# Altium PCB KB-PCB-R02.PcbDoc (part 3 of 5)
Units mm, origin at the board's own origin, x right, y up, seen from the top; angles counter-clockwise.
Board outline 263.4 x 114.34 mm, 4 copper layers (SIG_TOP, GND, PWR, SIG_BOTTOM), stack 1.118 mm thick; 686 components, 425 nets, 2244 pads, 421 vias.
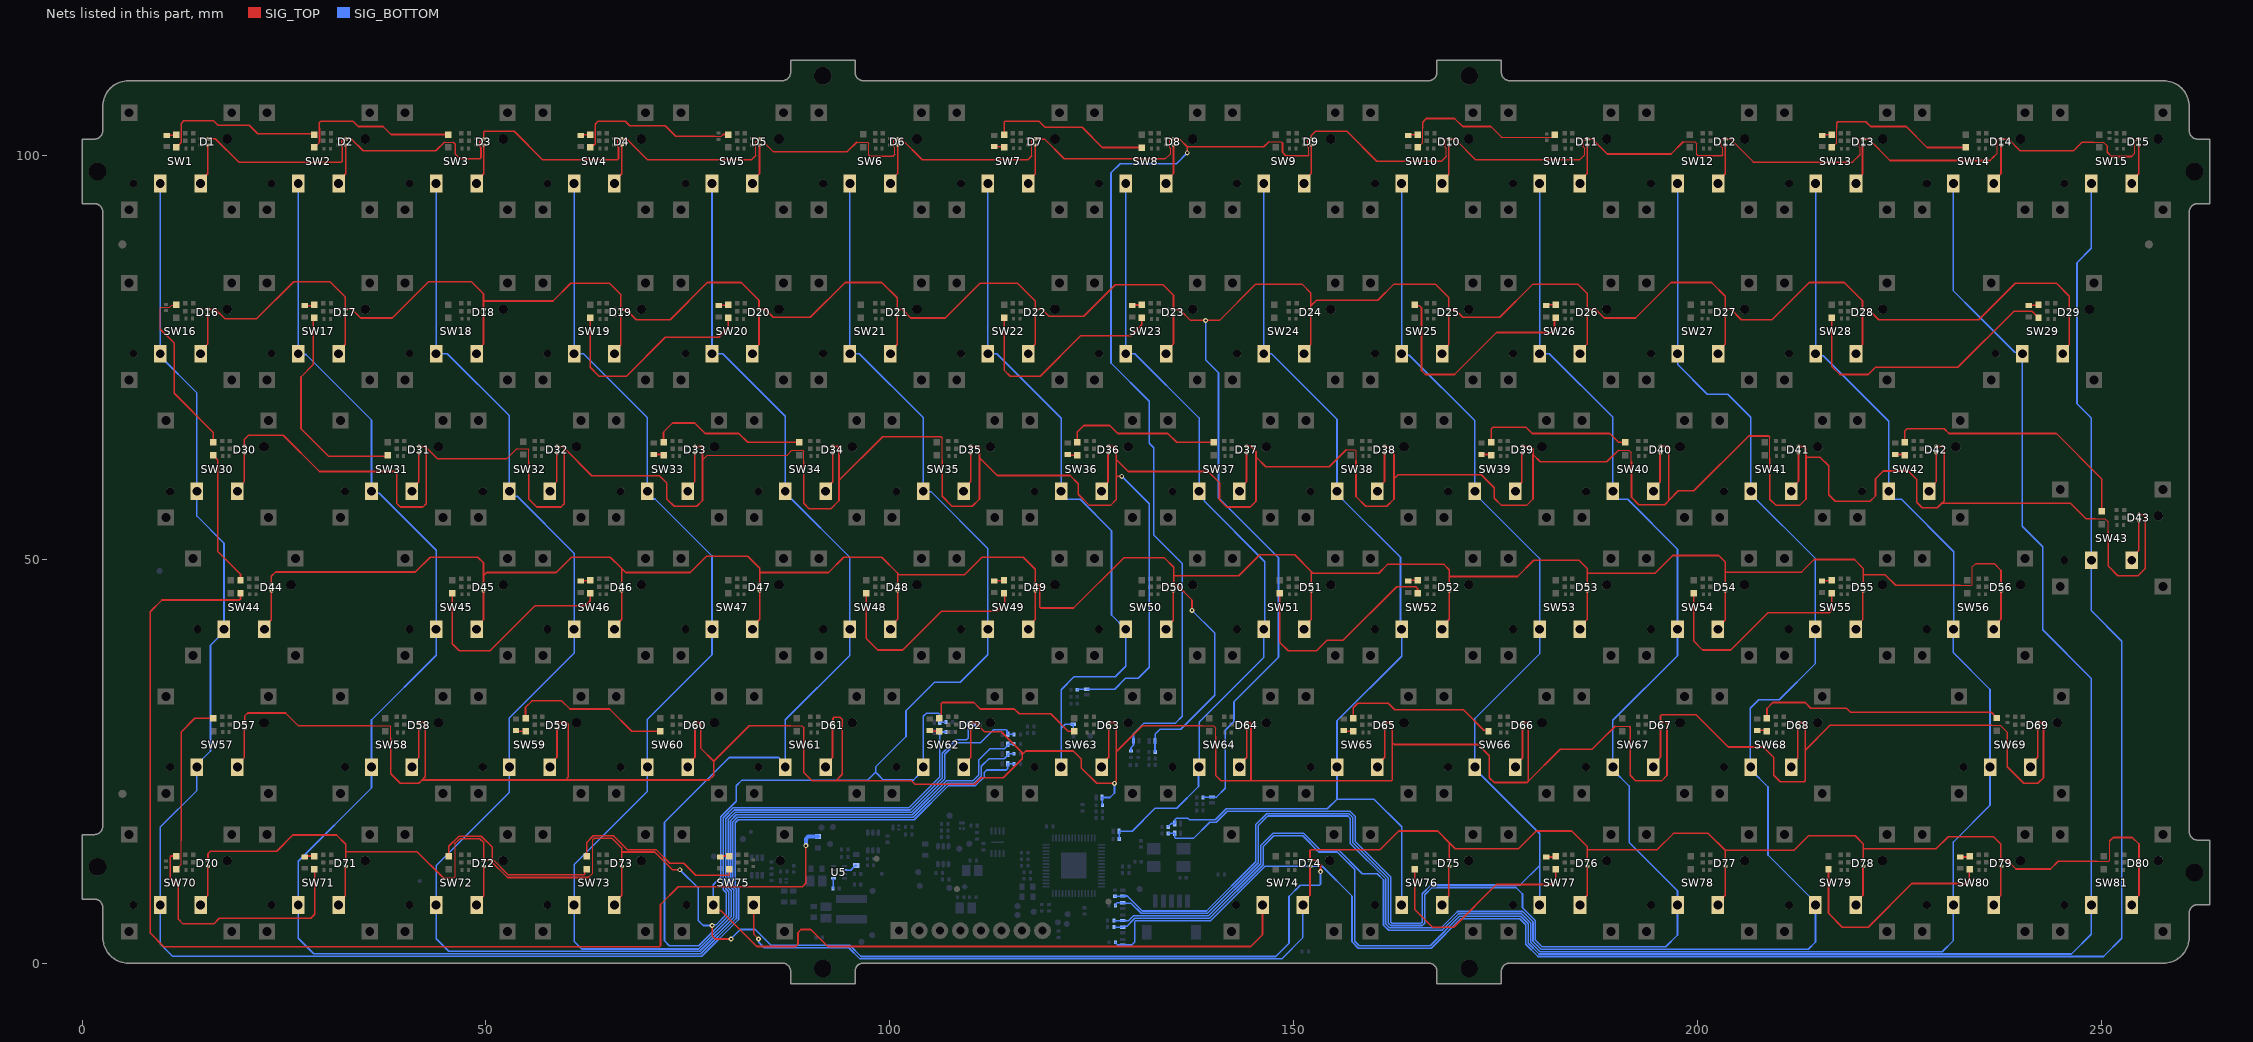
[diagram p5: the nets of this part, all layers, seen from the top]

## Via types
v1: diameter 0.6, hole 0.3, SIG_TOP to SIG_BOTTOM, tented both sides, 412 vias
v2: diameter 0.5, hole 0.3, SIG_TOP to SIG_BOTTOM, 9 vias

## Nets (pads, with @x,y where several pads share a name; then routed paths per layer and width w, separated by ;. In a path a pad name is that pad's centre, name@x,y a point inside that pad or via, vN(x,y) a via of type N, cw(c..) or ccw(c..) an arc to the next point about the centre after c; other vN are vias at no path point) (continued)
NetC22_2: C22.2 U5.1 | length 1.3
  SIG_BOTTOM w0.2: C22.2@92.967,9.287 92.967,10.525 92.992,10.55 U5.1@93,10.55
NetC25_1: C25.1 U5.6 | length 1.7
  SIG_BOTTOM w0.2: U5.6@94.4,11.55 95.154,11.55 95.729,12.125 C25.1@95.814,12.125
NetD1_1: D1.1 D2.1 D3.1 D4.1 D5.1 D6.1 D7.1 D8.1 D9.1 D10.1 D11.1 D12.1 D13.1 D14.1 D15.1 D96.1 R162.2 | length 386.1
  SIG_TOP w0.15: 44.867,101.667 45.943,101.667 ; 66.4,101.042 66.325,101.117 66.325,101.883 66.442,102 D4.1@66.75,102 ; 83.392,100.009 83.392,101.7 D5.1@83.751,102.059 ; 95.9,101.667 97.286,101.667 97.394,101.559 97.394,100.076 ; 100.6,100.141 100.6,101.029 100.501,101.128 100.501,101.887 100.589,101.975 100.825,101.975 D6.1@100.85,102 ; 117.567,99.967 117.567,101.887 117.655,101.975 117.892,101.975 D7.1@117.992,102.075 ; 134.108,99.6 134.754,100.246 134.754,100.85 134.635,100.968 134.635,101.962 134.723,102.05 D8.1@135.1,102.05 ; 146.9,101.698 148.462,101.698 148.483,101.678 ; 151.865,100.117 151.865,100.949 151.697,101.117 151.697,101.883 151.814,102 D9.1@152.1,102 ; 168.889,99.906 168.889,100.899 168.757,101.031 168.757,101.883 168.874,102 D10.1@169.097,102 ; 185.4,99.5 186,100.1 186,100.899 185.82,101.079 185.82,101.906 185.908,101.994 186.1,101.994 D11.1@186.2,102.094 ; 198.2,101.7 199.637,101.7 199.856,101.481 199.856,100.176 ; 203.085,100.117 203.085,100.957 202.925,101.117 202.925,101.883 203.042,102 D12.1@203.35,102 ; 220.09,100.124 220.09,101.035 220.008,101.117 220.008,101.933 220.125,102.05 D13.1@220.483,102.05 ; 236.698,99.926 237.065,100.293 237.065,101.879 237.183,101.996 D14.1@237.493,101.996 ; 249.018,101.671 250.221,101.671 250.7,101.191 ; 253.727,99.897 254.123,100.293 254.123,101.849 254.249,101.975 254.525,101.975 D15.1@254.6,102.05
  SIG_TOP w0.2: D1.1@15.585,102.079 D1.1@15.585,102.1 16.5,102.1 19.4,99.2 32.1,99.2 32.217,99.317 32.217,101.08 32.18,101.117 32.18,101.893 32.334,102.047 32.605,102.047 32.655,102.097 D2.1@32.655,102.1 33.3,102.1 34.8,100.6 43.8,100.6 44.867,101.667 ; 45.943,101.667 46.177,101.433 46.177,100.223 46.8,99.6 49.273,99.6 49.39,99.717 49.39,100.988 49.259,101.12 49.259,101.754 49.507,102.002 49.684,102.002 D3.1@49.684,102.099 ; D3.1@49.714,102.199 49.714,102.883 49.831,103 53.5,103 57,99.5 66.283,99.5 66.4,99.617 66.4,101.042 ; D4.1@66.75,102 D4.1@66.8,102.05 ; D4.1@66.825,102.075 D4.1@66.8,102.1 67.4,102.1 70,99.5 82.883,99.5 83.392,100.009 ; D5.1@83.867,102.05 83.992,102.05 85.542,100.5 94.733,100.5 95.9,101.667 ; 97.394,100.076 97.57,99.9 100.359,99.9 100.6,100.141 ; D6.1@100.951,102.05 101.45,102.05 104,99.5 117.1,99.5 117.567,99.967 ; D7.1@118.017,102.05 119.15,102.05 121.6,99.6 134.108,99.6 ; D8.1@135.1,102.05 D8.1@135.1,102.1 ; D8.1@135.2,102.1 D8.1@135.1,102.1 ; v1(136.808,100.342) 136.808,101.092 ; 146.9,101.698 146.294,101.092 136.808,101.092 ; 148.483,101.678 148.6,101.56 148.6,100.4 149,100 151.748,100 151.865,100.117 ; D9.1@152.1,102 152.158,102.058 152.158,102.085 D9.1@152.172,102.1 152.172,102.5 152.672,103 156.576,103 160.276,99.3 168.283,99.3 168.889,99.906 ; D10.1@169.232,102.05 169.95,102.05 172.5,99.5 185.4,99.5 ; D11.1@186.3,102.05 186.95,102.05 188.8,100.2 196.7,100.2 198.2,101.7 ; 199.856,100.176 200.032,100 202.968,100 203.085,100.117 ; D12.1@203.4,102.05 204.05,102.05 206.9,99.2 219.166,99.2 220.09,100.124 ; D13.1@220.483,102.05 221.15,102.05 223.8,99.4 236.172,99.4 236.698,99.926 ; D14.1@237.534,102.036 D14.1@237.534,102.096 ; D14.1@237.543,102.046 238.454,102.046 239.9,100.6 246.5,100.6 247.554,101.654 249.001,101.654 249.018,101.671 ; 250.7,101.191 250.7,100.413 251.216,99.897 253.727,99.897 ; D15.1@254.55,102 254.55,102.049 D15.1@254.551,102.05 ; D15.1@254.6,102.05 D15.1@254.6,102.1 ; D8.1@135.1,102.1 135.2,102 135.9,102 136.808,101.092
  SIG_BOTTOM w0.2: R162.2@129.85,26.277 129.85,26.713 130.15,27.013 130.15,28.45 131.461,29.761 135.361,29.761 136.2,30.6 136.2,49.5 132.658,53.042 132.658,63.842 132.1,64.4 132.1,69.6 127.365,74.335 127.365,97.865 128.501,99.001 135.466,99.001 v1(136.808,100.342)
NetD1_2: D1.2 SW1.2 | length 5.2
  SIG_TOP w0.2: SW1.2@14.687,96.553 14.687,96.878 15.562,97.753 15.562,101.318 D1.2@15.562,101.368
NetD2_2: D2.2 SW2.2 | length 5.1
  SIG_TOP w0.2: SW2.2@31.76,96.553 31.76,96.878 32.655,97.773 D2.2@32.655,101.3
NetD3_2: D3.2 SW3.2 | length 5.2
  SIG_TOP w0.2: SW3.2@48.834,96.553 48.834,96.878 49.714,97.758 D3.2@49.714,101.399
NetD4_2: D4.2 SW4.2 | length 5
  SIG_TOP w0.2: SW4.2@65.906,96.553 65.906,96.878 66.8,97.772 D4.2@66.8,101.2
NetD5_2: D5.2 SW5.2 | length 5.1
  SIG_TOP w0.2: SW5.2@82.98,96.553 82.98,96.878 83.867,97.765 D5.2@83.867,101.3
NetD6_2: D6.2 SW6.2 | length 5.1
  SIG_TOP w0.2: SW6.2@100.054,96.553 100.054,96.878 100.951,97.775 D6.2@100.951,101.3
NetD7_2: D7.2 SW7.2 | length 5.1
  SIG_TOP w0.2: SW7.2@117.127,96.553 117.127,96.878 118.017,97.768 D7.2@118.017,101.3
NetD8_2: D8.2 SW8.2 | length 5.2
  SIG_TOP w0.2: SW8.2@134.2,96.553 134.2,96.878 135.1,97.778 D8.2@135.1,101.3 D8.2@135.1,101.35
NetD9_2: D9.2 SW9.2 | length 5.2
  SIG_TOP w0.2: SW9.2@151.273,96.553 151.273,96.878 152.172,97.777 D9.2@152.172,101.3 D9.2@152.172,101.35
NetD10_2: D10.2 SW10.2 | length 5.2
  SIG_TOP w0.2: SW10.2@168.347,96.553 168.347,96.878 169.022,97.553 169.083,97.553 169.2,97.67 D10.2@169.2,101.4
NetD11_2: D11.2 SW11.2 | length 5.2
  SIG_TOP w0.2: SW11.2@185.42,96.553 185.42,96.878 186.3,97.758 D11.2@186.3,101.3 D11.2@186.3,101.35
NetD12_2: D12.2 SW12.2 | length 5
  SIG_TOP w0.2: SW12.2@202.515,96.553 202.515,96.878 203.4,97.763 D12.2@203.4,101.2
NetD13_2: D13.2 SW13.2 | length 5.1
  SIG_TOP w0.2: SW13.2@219.588,96.553 219.588,96.878 220.4,97.69 D13.2@220.4,101.3
NetD14_2: D14.2 SW14.2 | length 5.1
  SIG_TOP w0.2: SW14.2@236.645,96.553 236.645,96.878 237.534,97.767 D14.2@237.534,101.301
NetD15_2: D15.2 SW15.2 | length 5.1
  SIG_TOP w0.2: SW15.2@253.718,96.553 253.718,96.878 254.6,97.76 D15.2@254.6,101.3
NetD16_1: D16.1 D17.1 D18.1 D19.1 D20.1 D21.1 D22.1 D23.1 D24.1 D25.1 D26.1 D27.1 D28.1 D29.1 D97.1 R163.2 | length 354.3
  SIG_TOP w0.2: D16.1@15.585,81.027 15.612,81 16.5,81 17.7,79.8 21.6,79.8 26.2,84.4 30.7,84.4 32.6,82.5 D17.1@32.6,81.027 D17.1@32.6,80.977 33.423,80.977 34.5,79.9 38.4,79.9 42.9,84.4 48.2,84.4 49.7,82.9 49.7,82 ; D18.1@49.7,81.05 49.7,82 ; D22.1@117.996,80.977 118.823,80.977 119.7,80.1 124,80.1 127.9,84 133.8,84 135.1,82.7 D23.1@135.1,81.027 D23.1@135.1,80.977 135.15,80.927 135.873,80.927 137.2,79.6 139.077,79.6 140.8,79.6 145.3,84.1 151,84.1 152.1,83 152.1,81.4 ; D22.1@117.996,81.027 117.996,82.011 115.807,84.2 111.151,84.2 106.851,79.9 102.6,79.9 101.523,80.977 D21.1@100.9,80.977 D21.1@100.9,81.027 100.9,82.4 99,84.3 94.462,84.3 90.144,79.982 85.572,79.982 84.577,80.977 D20.1@83.8,80.977 D20.1@83.8,81.027 83.8,82.1 81.6,84.3 77.395,84.3 72.795,79.7 68.6,79.7 67.35,80.95 66.727,80.95 D19.1@66.7,80.977 D19.1@66.7,81.027 66.7,82.8 65.3,84.2 60.5,84.2 58.3,82 49.7,82 ; D24.1@152.1,80.977 D24.1@152.157,80.977 ; D24.1@152.1,81.05 152.1,81.4 ; D25.1@169.2,81.027 D25.1@169.2,80.977 169.25,80.927 169.973,80.927 170.9,80 175.5,80 179.6,84.1 185.154,84.1 186.332,82.923 186.332,81.009 D26.1@186.3,80.977 187.339,80.977 188.416,79.9 192.3,79.9 196.7,84.3 201.7,84.3 203.4,82.6 D27.1@203.4,81.027 204.073,81.027 205.4,79.7 209.2,79.7 213.8,84.3 218.131,84.3 220.4,82.031 D28.1@220.4,81.027 D28.1@220.4,80.977 221.124,80.976 222.4,79.7 234.8,79.7 239.3,84.2 244.4,84.2 246,82.6 D29.1@246,81.027 ; D25.1@169.2,81.15 169.2,82.419 167.519,84.1 162.4,84.1 160.4,82.1 152.8,82.1 152.1,81.4
  SIG_BOTTOM w0.2: R163.2@138.771,20.6 R163.2@138.771,20.55 138.796,20.575 139.851,20.575 D97.1@139.876,20.6 140.426,20.6 141.5,21.675 141.5,28.869 142.6,29.969 142.6,32.4 148.1,37.9 148.1,50.239 140.674,57.665 140.674,73.119 139.077,74.716 v1(139.077,79.587)
NetD16_2: D16.2 SW16.2 | length 5.1
  SIG_TOP w0.2: SW16.2@14.687,75.48 14.687,75.805 15.585,76.703 D16.2@15.585,80.227
NetD17_2: D17.2 SW17.2 | length 5.2
  SIG_TOP w0.2: SW17.2@31.76,75.48 31.76,75.805 32.6,76.645 D17.2@32.6,80.3
NetD18_2: D18.2 SW18.2 | length 5.2
  SIG_TOP w0.2: SW18.2@48.834,75.48 48.834,75.805 49.7,76.671 D18.2@49.7,80.3
NetD19_2: D19.2 SW19.2 | length 5.1
  SIG_TOP w0.2: SW19.2@65.906,75.48 65.906,75.805 66.7,76.599 66.7,80.2 D19.2@66.7,80.25
NetD20_2: D20.2 SW20.2 | length 5
  SIG_TOP w0.2: SW20.2@82.98,75.48 82.98,75.805 83.8,76.625 D20.2@83.8,80.1
NetD21_2: D21.2 SW21.2 | length 4.9
  SIG_TOP w0.2: SW21.2@100.054,75.48 100.054,75.805 100.9,76.651 100.9,80
NetD22_2: D22.2 SW22.2 | length 5.2
  SIG_TOP w0.2: SW22.2@117.127,75.48 117.127,75.805 117.996,76.674 D22.2@117.996,80.294
NetD23_2: D23.2 SW23.2 | length 5.1
  SIG_TOP w0.2: SW23.2@134.2,75.48 134.2,75.805 135.1,76.705 D23.2@135.1,80.2
NetD24_2: D24.2 SW24.2 | length 5.2
  SIG_TOP w0.2: SW24.2@151.273,75.48 151.273,75.805 152.1,76.632 D24.2@152.1,80.3
NetD25_2: D25.2 SW25.2 | length 5.1
  SIG_TOP w0.2: SW25.2@168.347,75.48 168.347,75.805 169.2,76.658 D25.2@169.2,80.227
NetD26_2: D26.2 SW26.2 | length 5.1
  SIG_TOP w0.2: SW26.2@185.42,75.48 185.42,75.805 186.3,76.685 D26.2@186.3,80.2
NetD27_2: D27.2 SW27.2 | length 5.2
  SIG_TOP w0.2: SW27.2@202.515,75.48 202.515,75.805 203.4,76.69 203.4,80.3 D27.2@203.4,80.35
NetD28_2: D28.2 SW28.2 | length 5.2
  SIG_TOP w0.2: SW28.2@219.588,75.48 219.588,75.805 220.4,76.617 220.4,80.3 D28.2@220.4,80.35
NetD29_2: D29.2 SW29.2 | length 5.1
  SIG_TOP w0.2: SW29.2@245.182,75.48 245.182,75.805 246,76.623 D29.2@246,80.227
NetD30_1: D30.1 D31.1 D32.1 D33.1 D34.1 D35.1 D36.1 D37.1 D38.1 D39.1 D40.1 D41.1 D42.1 D43.1 D98.1 R164.2 | length 461.9
  SIG_TOP w0.15: 53.791,63.695 55.208,63.695 55.296,63.607 55.296,62.253 ; 76.8,62.3 77.4,62.9 87.268,62.9 87.875,63.507 89.201,63.507 89.329,63.379 89.329,62.129 ; 106.466,62.258 106.466,65.034 ; 156.488,63.588 157.613,63.588 157.701,63.5 157.701,62.209 ; 190.177,63.538 191.465,63.538 191.793,63.21 191.793,62.107 ; 208.909,65.156 208.926,65.138 208.926,62.571 ; 249.171,55.071 250.401,55.071 250.8,54.672 250.8,53.5
  SIG_TOP w0.2: D30.1@20.1,63.95 20.1,64.9 20.6,65.4 24.9,65.4 29.4,60.9 38.841,60.9 38.958,60.783 38.958,56.942 39.4,56.5 42.2,56.5 42.6,56.9 42.6,63.883 ; D31.1@41.732,63.97 42.513,63.97 42.6,63.883 ; 53.791,63.695 52.596,62.5 43.983,62.5 42.6,63.883 ; 55.296,62.253 55.296,57.504 56.3,56.5 59.3,56.5 59.7,56.9 59.7,63.8 ; D32.1@58.805,64.02 D32.1@58.805,63.97 59.53,63.97 59.7,63.8 ; D33.1@75.864,63.999 76.683,63.999 76.8,63.882 76.8,62.3 76.8,57.3 76.1,56.6 73.3,56.6 72.395,57.505 72.395,59.481 71.488,60.388 63.112,60.388 59.7,63.8 ; 89.329,62.129 89.329,56.971 90,56.3 92.7,56.3 93.7,57.3 93.7,59.8 ; D34.1@92.915,63.992 93.583,63.992 93.7,63.875 93.7,59.8 ; 106.466,62.258 106.466,57.834 107.7,56.6 110.2,56.6 111.1,57.5 111.1,62.6 ; 106.466,65.034 106.3,65.2 99.1,65.2 93.7,59.8 ; D35.1@110.025,63.97 110.95,63.97 111.1,63.82 111.1,62.6 ; D36.1@127.098,64.02 127.68,64.02 128,63.7 128,62.4 ; v1(128.7,60.3) 128.18,60.3 128,60.12 ; D37.1@144.171,64.02 144.68,64.02 145.317,63.383 145.317,62.7 ; 156.488,63.588 154.4,61.5 146.517,61.5 145.317,62.7 ; 157.696,62.204 157.696,57.804 158.9,56.6 161.5,56.6 162.4,57.5 162.4,60 ; D38.1@161.271,63.944 161.668,63.944 162.4,63.212 162.4,60 ; D39.1@178.318,64.02 178.338,64 179.3,64 179.6,63.7 179.6,63 ; 190.177,63.538 188.739,62.1 180.5,62.1 179.6,63 ; 191.793,62.107 191.793,57.707 192.7,56.8 195.9,56.8 196.4,57.3 ; D40.1@195.397,63.97 D40.1@195.397,64.02 196.087,64.02 196.4,63.707 196.4,57.3 ; 208.909,65.156 208.909,65.176 208.784,65.3 206.3,65.3 199.5,58.5 197.6,58.5 196.4,57.3 ; 208.926,62.571 208.926,57.474 209.7,56.7 212.6,56.7 213.4,57.5 213.4,62.66 ; D41.1@212.47,64.02 212.49,64 213.2,64 213.4,63.8 213.4,62.66 ; D42.1@229.543,64.02 229.563,64 230.383,64 230.5,63.883 230.5,57.258 230.196,56.954 ; 249.171,55.071 248.029,55.071 246.146,56.954 230.196,56.954 ; 250.8,53.5 250.8,49.2 252,48 254.5,48 255.4,48.9 255.4,55.253 255.103,55.55 D43.1@254.616,55.55 ; 111.1,62.6 113.3,60.4 122.3,60.4 123.3,59.4 123.3,58.1 124.7,56.7 127.3,56.7 128,57.4 128,60.12 ; 128,60.12 128,62.4 ; 128,62.4 129.5,60.9 139.394,60.9 140.8,59.494 140.8,57.4 141.7,56.5 144.6,56.5 145.317,57.217 145.317,62.7 ; 162.4,60 162.9,60.5 173.2,60.5 174.807,58.893 174.807,57.593 175.7,56.7 178.8,56.7 179.6,57.5 179.6,63 ; 213.4,62.66 215.135,62.66 216.2,61.595 216.2,58.021 217.021,57.2 221.324,57.2 222,57.876 222,59.989 222.971,60.96 226.04,60.96 227.1,59.9 227.1,57.1 227.8,56.4 229.642,56.4 230.196,56.954
  SIG_BOTTOM w0.2: R164.2@123.195,33.888 123.257,33.951 D98.1@124.055,33.951 ; D98.1@124.355,33.956 127.822,33.956 129.166,35.3 130.732,35.3 132.1,36.668 132.1,56.9 v1(128.7,60.3)
NetD30_2: D30.2 SW30.2 | length 5.2
  SIG_TOP w0.2: SW30.2@19.224,58.45 19.224,58.775 20.1,59.651 20.1,63.2 D30.2@20.1,63.25
NetD31_2: D31.2 SW31.2 | length 5.2
  SIG_TOP w0.2: SW31.2@40.834,58.45 40.834,58.775 41.7,59.641 D31.2@41.7,63.3
NetD32_2: D32.2 SW32.2 | length 5.2
  SIG_TOP w0.2: SW32.2@57.907,58.45 57.907,58.775 58.785,59.653 D32.2@58.785,63.238 ; D32.2@58.7,63.15 D32.2@58.7,63.2
NetD33_2: D33.2 SW33.2 | length 5.2
  SIG_TOP w0.2: SW33.2@74.98,58.45 74.98,58.775 75.864,59.659 D33.2@75.864,63.249
NetD34_2: D34.2 SW34.2 | length 5.1
  SIG_TOP w0.2: SW34.2@92.054,58.45 92.054,58.775 92.915,59.636 D34.2@92.915,63.192
NetD35_2: D35.2 SW35.2 | length 5.2
  SIG_TOP w0.2: SW35.2@109.127,58.45 109.127,58.775 110.025,59.673 D35.2@110.025,63.27
NetD36_2: D36.2 SW36.2 | length 5.2
  SIG_TOP w0.2: SW36.2@126.2,58.45 126.2,58.775 127,59.575 D36.2@127,63.3
NetD37_2: D37.2 SW37.2 | length 5.2
  SIG_TOP w0.2: SW37.2@143.273,58.45 143.273,58.775 144.144,59.646 144.144,63.215 D37.2@144.144,63.265
NetD38_2: D38.2 SW38.2 | length 5.2
  SIG_TOP w0.2: SW38.2@160.347,58.45 160.347,58.775 161.229,59.657 D38.2@161.229,63.271
NetD39_2: D39.2 SW39.2 | length 5.1
  SIG_TOP w0.2: SW39.2@177.42,58.45 177.42,58.775 178.2,59.555 D39.2@178.2,63.2
NetD40_2: D40.2 SW40.2 | length 5.1
  SIG_TOP w0.2: SW40.2@194.499,58.45 194.499,58.775 195.33,59.606 195.33,63.2 D40.2@195.33,63.25
NetD41_2: D41.2 SW41.2 | length 5.1
  SIG_TOP w0.2: SW41.2@211.572,58.45 211.572,58.775 212.47,59.673 D41.2@212.47,63.22
NetD42_2: D42.2 SW42.2 | length 6.1
  SIG_TOP w0.2: SW42.2@229.3,59.105 SW42.2@228.645,58.45 228.645,58.775 229.543,59.673 D42.2@229.543,63.22
NetD43_2: D43.2 SW43.2 | length 5.3
  SIG_TOP w0.2: SW43.2@253.718,49.914 253.718,50.239 254.6,51.121 254.6,54.8 D43.2@254.6,54.85
NetD44_1: D44.1 D45.1 D46.1 D47.1 D48.1 D49.1 D50.1 D51.1 D52.1 D53.1 D54.1 D55.1 D56.1 D99.1 R165.2 | length 289.4
  SIG_TOP w0.15: 232.479,46.818 232.504,46.793 233.878,46.793 233.997,46.911 233.997,49.097 234.4,49.5
  SIG_TOP w0.2: D44.1@23.426,47.033 23.426,47.926 23.957,48.457 41.257,48.457 43.1,50.3 49,50.3 49.7,49.6 49.7,48 ; D45.1@49.7,47 49.7,48 ; D46.1@66.805,46.947 66.805,48.895 ; D47.1@83.878,46.947 83.878,48.4 ; D48.1@100.952,46.947 100.952,48.348 ; 135.2,48 143.2,48 145.8,50.6 150.1,50.6 152.171,48.529 ; v1(137.4,43.7) 137.4,44.983 135.517,46.867 135.128,46.867 135.128,49.054 133.983,50.2 128.937,50.2 122.737,44 118.679,44 118.562,44.117 118.562,46.783 118.444,46.9 118.05,46.9 118,46.95 118,48.8 116.5,50.3 111.4,50.3 109.2,48.1 101.2,48.1 100.952,48.348 ; D51.1@152.15,46.939 D51.1@152.221,46.939 ; D51.1@152.171,46.947 152.171,48.529 ; D52.1@169.245,46.947 169.245,47.9 ; D53.1@186.318,46.947 186.318,48.3 ; D54.1@203.381,46.963 203.381,48.447 ; D55.1@220.465,46.947 220.465,48.1 ; 232.479,46.818 228.536,46.818 224.494,46.818 223.212,48.1 220.465,48.1 ; 234.4,49.5 236.7,49.5 237.543,48.657 D56.1@237.543,46.986 ; 49.7,48 50.1,48.4 58.7,48.4 60.6,50.3 65.4,50.3 66.805,48.895 ; 66.805,48.895 67.3,48.4 75.288,48.4 77.288,50.4 82.4,50.4 83.878,48.922 83.878,48.4 ; 83.878,48.4 92.4,48.4 94.3,50.3 99,50.3 100.952,48.348 ; 152.171,48.529 152.4,48.3 160.5,48.3 161.6,49.4 168.6,49.4 169.245,48.755 169.245,47.9 ; 169.245,47.9 177.7,47.9 179.7,49.9 185.3,49.9 186.318,48.882 186.318,48.5 186.318,48.3 ; 186.318,48.3 194.7,48.3 196.9,50.5 202.6,50.5 203.381,49.719 203.381,48.447 ; 203.381,48.447 212.847,48.447 214.4,50 219.4,50 220.465,48.935 220.465,48.1
  SIG_BOTTOM w0.2: R165.2@132.845,26.182 132.823,26.204 132.823,27.52 D99.1@132.8,27.542 132.871,27.613 132.871,28.43 133.441,29 136,29 140.2,33.2 140.2,40.9 v1(137.4,43.7)
NetD44_2: D44.2 SW44.2 | length 5.3
  SIG_TOP w0.2: SW44.2@22.571,41.377 22.571,41.702 23.426,42.557 D44.2@23.426,46.233 ; D44.2@23.4,46.1 D44.2@23.4,46.15
NetD45_2: D45.2 SW45.2 | length 5.2
  SIG_TOP w0.2: SW45.2@48.834,41.377 48.834,41.702 49.7,42.568 D45.2@49.7,46.2
NetD46_2: D46.2 SW46.2 | length 5.2
  SIG_TOP w0.2: SW46.2@65.907,41.377 65.907,41.702 66.8,42.595 66.8,46.2 D46.2@66.8,46.25
NetD47_2: D47.2 SW47.2 | length 5.1
  SIG_TOP w0.2: SW47.2@82.98,41.377 82.98,41.702 83.878,42.6 D47.2@83.878,46.147
NetD48_2: D48.2 SW48.2 | length 5.1
  SIG_TOP w0.2: SW48.2@100.054,41.377 100.054,41.702 100.952,42.6 D48.2@100.952,46.147
NetD49_2: D49.2 SW49.2 | length 5.2
  SIG_TOP w0.2: SW49.2@117.127,41.377 117.127,41.702 118,42.575 118,46.2 D49.2@118,46.25
NetD50_2: D50.2 SW50.2 | length 5.4
  SIG_TOP w0.2: SW50.2@134.2,41.377 134.2,41.702 134.875,42.377 134.981,42.377 135.098,42.494 D50.2@135.098,46.197 ; D50.2@134.925,46.2 134.975,46.25 D50.2@135.1,46.25
NetD51_2: D51.2 SW51.2 | length 5.2
  SIG_TOP w0.2: SW51.2@151.273,41.377 151.273,41.702 152.15,42.579 152.15,46.189 D51.2@152.15,46.239
NetD52_2: D52.2 SW52.2 | length 5.1
  SIG_TOP w0.2: SW52.2@168.347,41.377 168.347,41.702 169.245,42.6 D52.2@169.245,46.147
NetD53_2: D53.2 SW53.2 | length 5.2
  SIG_TOP w0.2: SW53.2@185.42,41.377 185.42,41.702 186.3,42.582 186.3,46.2 D53.2@186.3,46.25
NetD54_2: D54.2 SW54.2 | length 5.3
  SIG_TOP w0.2: SW54.2@202.493,41.377 202.493,41.702 203.168,42.377 203.264,42.377 203.381,42.494 D54.2@203.381,46.213
NetD55_2: D55.2 SW55.2 | length 6.2
  SIG_TOP w0.2: SW55.2@220.242,42.052 SW55.2@219.567,41.377 219.567,41.702 220.443,42.578 D55.2@220.443,46.242
NetD56_2: D56.2 SW56.2 | length 5.1
  SIG_TOP w0.2: SW56.2@236.645,41.377 236.645,41.702 237.543,42.6 D56.2@237.543,46.147
NetD57_1: D57.1 D58.1 D59.1 D60.1 D61.1 D62.1 D63.1 D64.1 D65.1 D66.1 D67.1 D68.1 D69.1 D100.1 R166.2 | length 378.3
  SIG_TOP w0.15: 35.964,29.408 38.112,29.408 38.2,29.321 38.2,27.932 ; 87.7,29.441 89.111,29.441 89.341,29.21 ; 138.629,29.421 140.074,29.421 140.355,29.141 140.355,28.113 ; 189.776,29.376 191.524,29.376 ; 236.381,29.474 237.429,29.474 238.3,28.603
  SIG_TOP w0.2: D57.1@20.122,29.824 D57.1@20.122,29.874 20.122,30.622 20.5,31 25.2,31 26.792,29.408 35.964,29.408 ; 38.2,27.932 38.2,23.5 39.4,22.3 41.673,22.3 42.086,22.713 ; D58.1@41.732,29.824 D58.1@41.732,29.874 42.381,29.874 42.499,29.757 42.499,23.125 42.086,22.713 ; D59.1@58.805,29.824 59.976,29.824 60.204,29.596 60.204,23.077 59.84,22.713 ; D60.1@75.878,29.824 76.453,29.824 76.57,29.707 76.57,26.671 78.2,25.041 ; 87.7,29.441 82.6,29.441 78.2,25.041 ; 89.341,29.21 89.341,23.652 90.393,22.6 93.283,22.6 ; D61.1@92.952,29.874 92.952,30.362 93.069,30.479 93.821,30.479 94.1,30.2 94.1,23.417 93.283,22.6 ; D62.1@110,29.85 110.023,29.827 110.573,29.827 111.7,28.7 113.794,28.7 116.397,26.098 116.397,25.897 ; D63.1@127.098,29.874 D63.1@127.098,29.824 127.676,29.824 128.027,29.473 128.027,26.2 ; v1@127.83,22.423 128.027,22.619 128.027,26.2 ; v1@127.877,22.377 v1(127.8,22.3) 125.6,22.3 123.7,24.2 123.7,25.315 122.715,26.3 116.8,26.3 116.397,25.897 ; 138.629,29.421 131.248,29.421 128.027,26.2 ; 140.355,28.113 140.355,23.245 141,22.6 144.7,22.6 ; D64.1@144.171,29.824 144.208,29.787 144.583,29.787 144.7,29.669 144.7,22.6 ; D65.1@161.245,29.824 161.876,29.824 162.2,29.5 162.2,27.347 ; D66.1@178.318,29.824 178.883,29.824 179,29.707 179,22.517 ; 189.776,29.376 187.9,27.5 186.909,26.509 182.992,26.509 179,22.517 ; 191.524,29.376 191.651,29.249 191.651,23.291 192.341,22.6 195.5,22.6 196.2,23.3 196.2,29.757 196.083,29.874 D67.1@195.391,29.874 195.391,30.683 195.508,30.8 199.777,30.8 203.777,26.8 208.1,26.8 209.4,25.5 209.4,23.3 210.2,22.5 213.183,22.5 213.3,22.617 213.3,26.4 ; D68.1@212.465,29.824 213.183,29.824 213.3,29.707 213.3,26.4 ; 236.381,29.474 216.374,29.474 213.3,26.4 ; 238.3,28.603 238.3,24.344 240.344,22.3 242.1,22.3 242.8,23 242.8,29.707 242.683,29.824 D69.1@242.08,29.824 ; 42.086,22.713 59.84,22.713 ; 59.84,22.713 77.613,22.713 78.2,23.3 78.2,25.041 ; 93.283,22.6 102.7,22.6 103.108,22.192 110.492,22.192 111.3,23 114.036,23 116.397,25.36 116.397,25.897 ; 144.7,22.6 162.083,22.6 162.2,22.717 162.2,27.347 ; 162.2,27.347 162.447,27.1 172.8,27.1 174.2,25.7 174.2,23 174.8,22.4 178.883,22.4 179,22.517